# Altium PCB Carte_Alim-light_alim.PcbDoc (part 3 of 3)
Units mm, origin at the board's own origin, x right, y up, seen from the top; angles counter-clockwise.
Board outline 100 x 84 mm, 4 copper layers (Top Copper, Ground Plane, Power Plane, Bottom Copper), stack 1.57 mm thick; 195 components, 108 nets, 529 pads, 246 vias.
Unrouted connection lines stored in the file: 5.
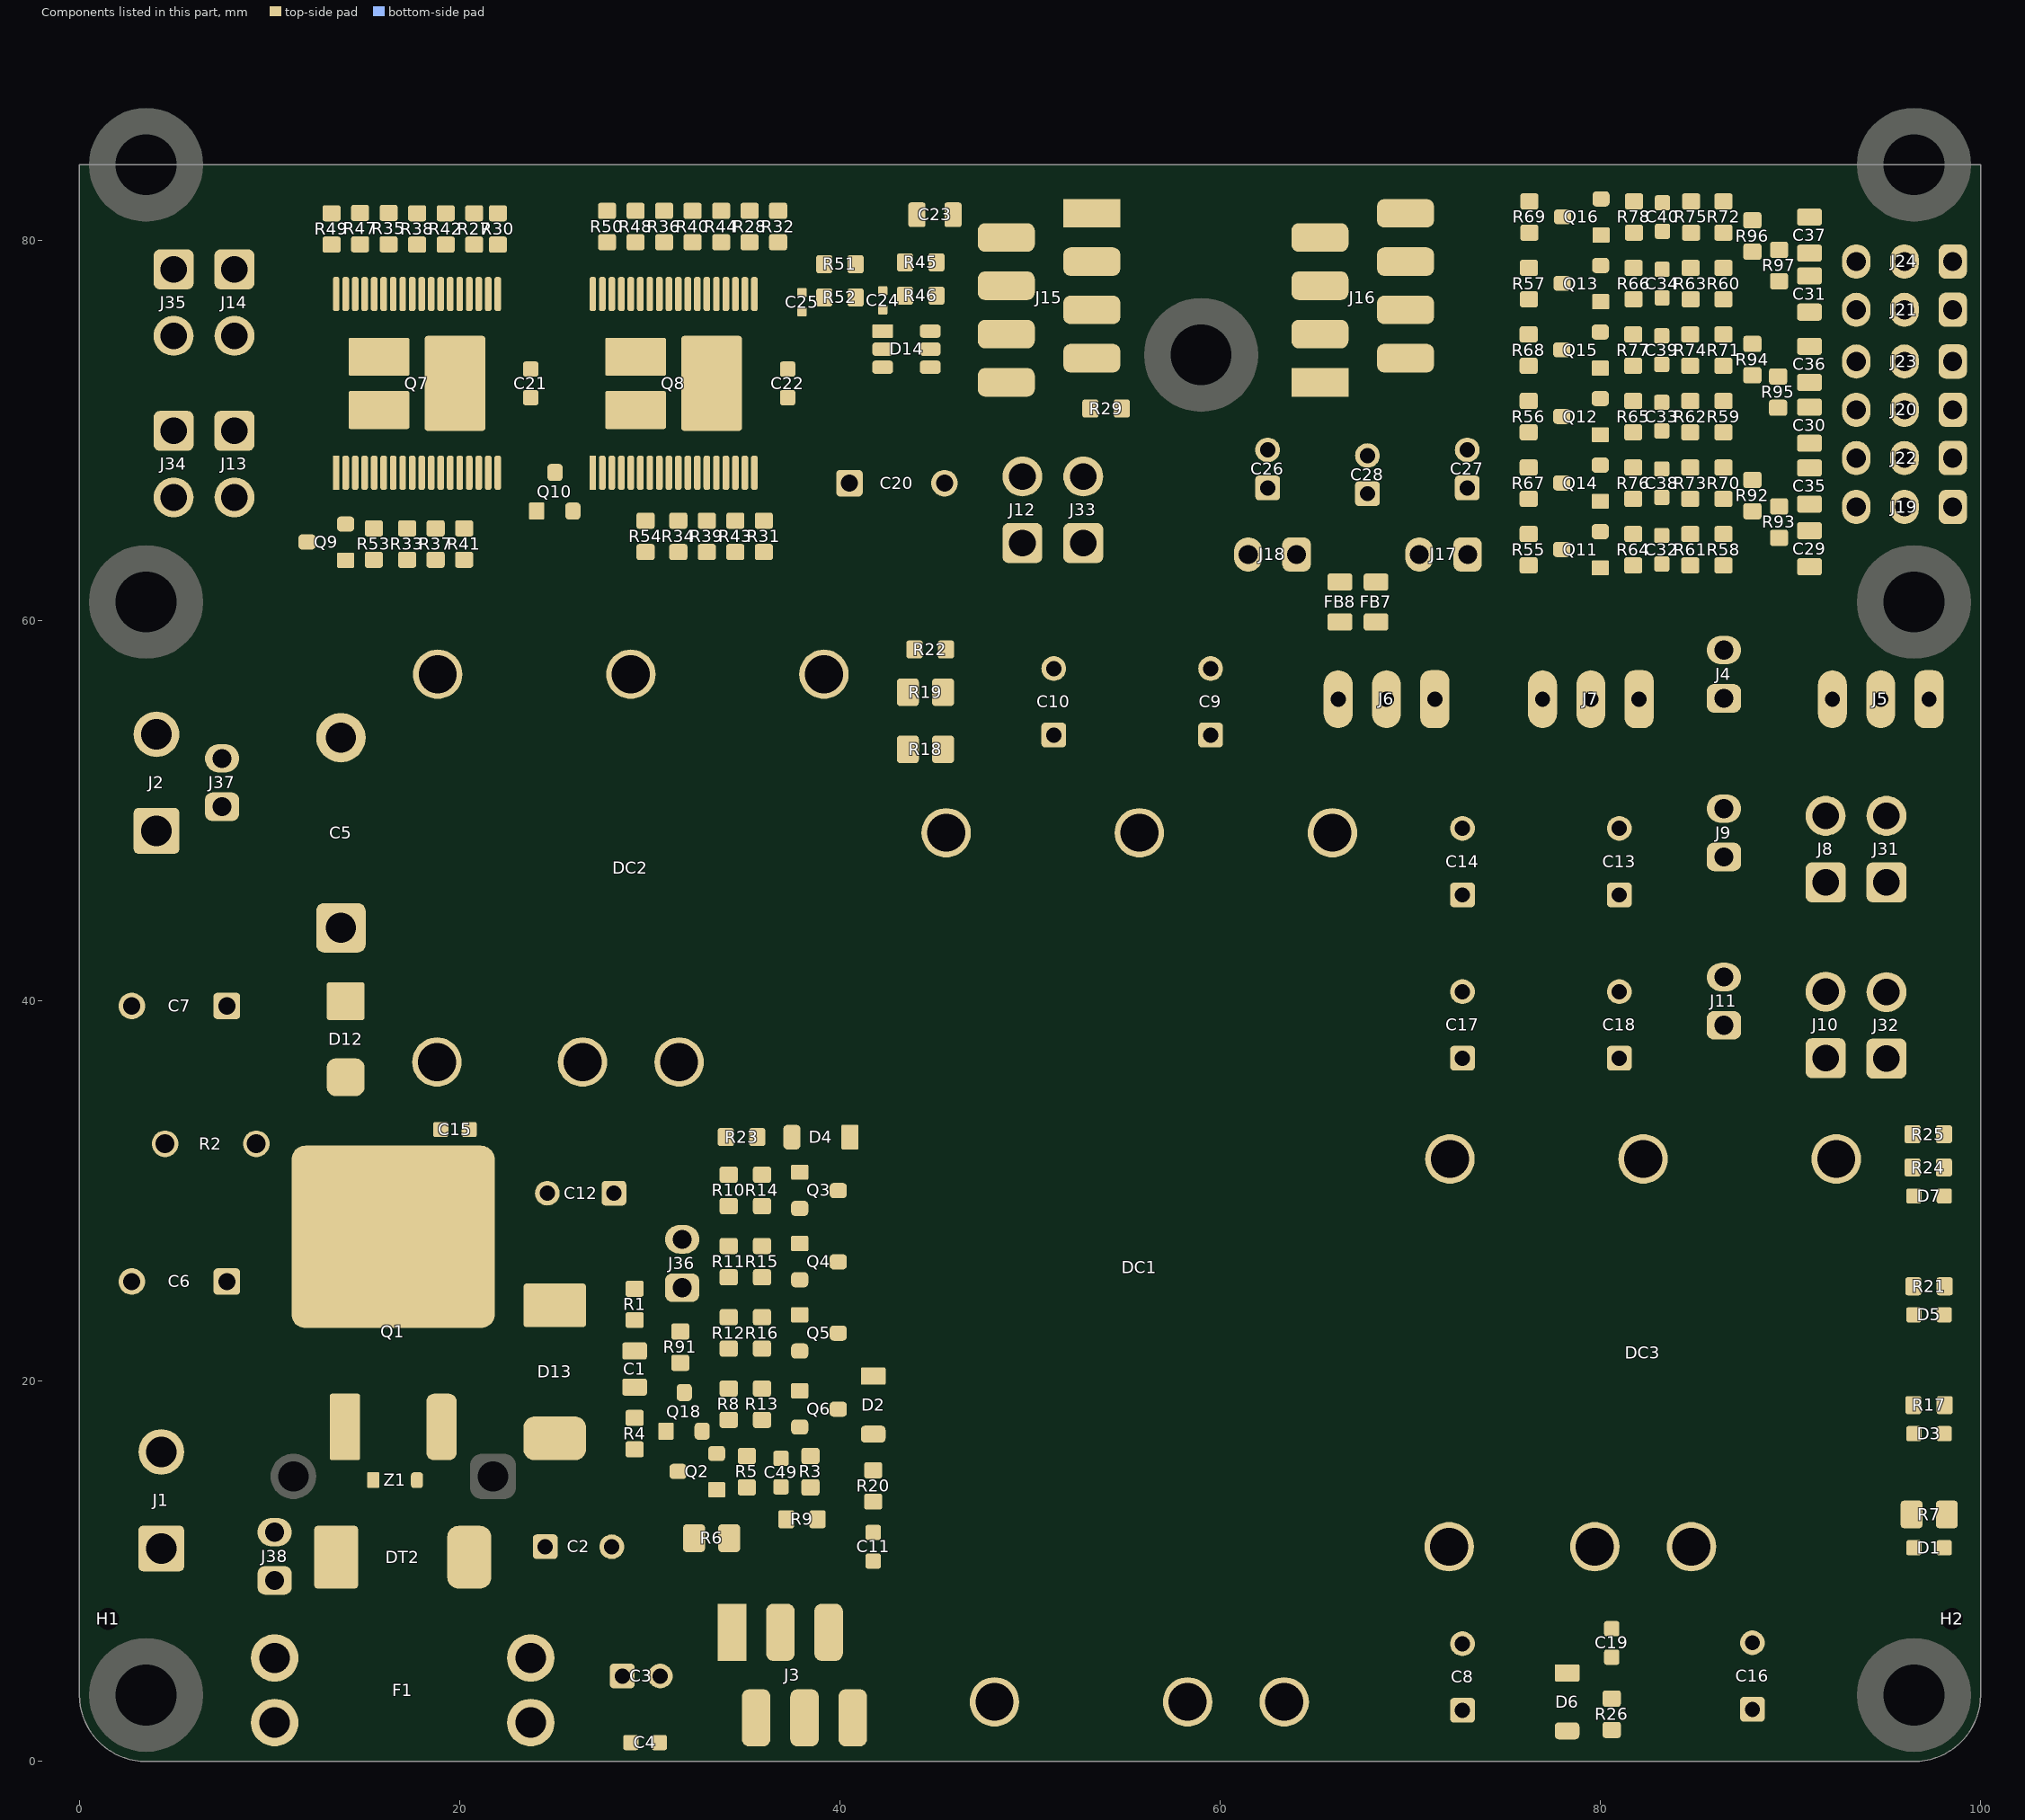
[diagram p5: the components of this part, seen from the top]

## Silkscreen, mask and mechanical layers (free items; w line width, h text height) (continued)
Bottom Overlay:
  drawing of 135 lines, arcs and shapes, not listed
  text "Ctrl_MOT" at 55,81 h1.27
  text "Capt. out" at 81.5,80.75 h1.27
  text "Capt. In" at 93.75,80.75 h1.27
  text "M2_PWM" at 42.75,79 h1.27
  text "5" at 44.75,79 h1.27
  text "VCC" at 53.5,79 h1.27
  text "1" at 55,79 h1.27
  text "Capt.3" at 69.25,78.75 h1.27
  text "5" at 71.25,78.75 h1.27
  text "VCC" at 80,78.75 h1.27
  text "1" at 81.5,78.75 h1.27
  text "6" at 91.25,78.25 h1.27
  text "PWR (not GND!)" at 30.25,78 h1.27
  text "M2_DIR" at 42.75,77 h1.27
  text "6" at 44.75,77 h1.27
  text "GND" at 53.5,77 h1.27
  text "2" at 55.25,77 h1.27
  text "Capt.4" at 69.25,76.75 h1.27
  text "6" at 71.25,76.75 h1.27
  text "GND" at 80,76.75 h1.27
  text "2" at 81.75,76.75 h1.27
  text "M2" at 1,75.75 h1.27 r270
  text "5" at 91.25,75.75 h1.27
  text "M1_CS" at 42.75,75 h1.27
  text "7" at 44.75,75 h1.27
  text "M1_PWM" at 53.5,74.75 h1.27
  text "3" at 55.25,74.75 h1.27
  text "Capt.5" at 69.25,74.75 h1.27
  text "7" at 71.25,74.75 h1.27
  text "Capt.1" at 80,74.5 h1.27
  text "3" at 81.75,74.5 h1.27
  text "-   +" at 0.75,74 h1.27 r270
  text "4" at 91.25,73 h1.27
  text "M2_CS" at 42.75,72.75 h1.27
  text "8" at 44.75,72.75 h1.27
  text "M1_DIR" at 53.5,72.75 h1.27
  text "4" at 55.25,72.75 h1.27
  text "Capt.6" at 69.25,72.5 h1.27
  text "8" at 71.25,72.5 h1.27
  text "Capt.2" at 80,72.5 h1.27
  text "4" at 81.75,72.5 h1.27
  text "3" at 91.25,70.5 h1.27
  text "-    +" at 57,70 h1.27 r90
  text "Carte Capteurs 2020" at 88.75,70 h2.5
  text "PWR" at 56.75,68 h1.27 r90
  text "Goldorak" at 84.7,68 h2
  text "2" at 91.25,68 h1.27
  text "M1" at 1,67.5 h1.27 r270
  text "Sig" at 89,66.75 h1.27
  text "Audran" at 82.5,66.25 h2
  text "- +" at 61.25,66 h1.27 r180
  text "5L" at 66.55,66 h1.27
  text "- +" at 70.5,66 h1.27 r180
  text "PWR" at 72,66 h1.27
  text "Carte Moteur 2020" at 36.5,65.5 h2.5
  text "1" at 91,65.5 h1.27
  text "-   +" at 0.75,65.25 h1.27 r270
  text "GND" at 89,64.5 h1.27
  text "Goldorak - Audran" at 34.75,63.5 h2
  text "V+" at 89,62.5 h1.27
  text "- +" at 89,58.75 h1.27 r90
  text "12V" at 90.75,58.75 h1.27 r90
  text "-    +" at 7.5,54.8 h1.27 r90
  text "-    +" at 16.5,52.75 h1.27 r90
  text "-   +" at 98.75,51 h1.27 r90
  text "GND" at 76.5,50.25 h1.27 r270
  text "12V" at 79.25,50.25 h1.27 r270
  text "PWR" at 8.9,49.8 h1.27 r270
  text "Data" at 82,49.5 h1.27 r270
  text "5P" at 98.25,49.25 h1.27 r90
  text "I got the POWER !!" at 48,44.13 h2.7
  text "Capa 10mF" at 17.25,43.75 h1.27 r270
  text "-   +" at 98.75,41.75 h1.27 r90
  text "5L" at 98.25,40 h1.27 r90
  text "PWR (not GND!)" at 27.2,33.7 h1.27
  text "-" at 30.2,26.8 h1.27
  text "oDrive" at 20.2,18.1 h1.27
  text "-   +" at 13.8,17.5 h1.27 r180
  text "-    +" at 2.5,17.3 h1.27 r90
  text "Carte Alimentation 2020" at 72.25,15.25 h2.5
  text "Goldorak - Audran" at 69.25,12.75 h2.5
  text "- +" at 12.5,12.4 h1.27 r90
  text "BATT" at 6.2,11.5 h1.27 r270
  text "Ctrl_Alim" at 43,10.5 h1.27
  text "2" at 35.25,9.75 h1.27 r90
  text "3" at 37.5,9.75 h1.27 r90
  text "4" at 39.5,9.75 h1.27 r90
  text "5" at 41.75,9.75 h1.27 r90
  text "6" at 43.75,9.75 h1.27 r90
  text "1" at 33.25,9.5 h1.27 r90
  text "Jauge" at 13.4,8.9 h1.27 r270
  text "nRST oDrive" at 29.4,8.5 h1.27 r270
  text "VBAT" at 33.25,8 h1.27 r90
  text "GND" at 35.25,8 h1.27 r90
  text "5L" at 37.5,8 h1.27 r90
  text "LED_AU" at 39.5,8 h1.27 r90
  text "SW_AU" at 41.75,7.75 h1.27 r90
  text "SW_L" at 43.75,7.75 h1.27 r90
  text "Fuse type:" at 23.6,7.45 h1.27
  text "ATO 257" at 21.6,5.2 h1.27
  text "ATC" at 21.6,3.2 h1.27
  text "Mini 897" at 21.6,1.45 h1.27
  text "Du feu jaillit la fumee" at 93.25,0.75 h1.6
Bottom Mask:
  region: 11.775,73.831 11.775,69.55 12.925,68.4 24.275,68.4 25.025,69.15 25.025,70.775 21,74.8 19.3,74.8 18.3,73.8 17.3,73.8 17.3,71 16.85,70.55 14.613,70.562 14.025,71.15 14.025,73.831
  region: 11.75,32.75 19.75,32.75 22.5,30 22.5,23.5 19.75,20.75 11.75,20.75 9,23.5 9,30
  region: 31.851,77.477 35.051,77.477 36.375,76.154 36.375,73.1 38.276,71.199 38.276,69.927 37.601,69.252 30.801,69.252 30.276,69.778 30.276,71.777 31.297,72.798 31.297,76.923
Board Outline:
  the board outline again, w0.1
Bottom Construction:
  lines w2: 8.4,84 91.5,84 ; 8.5,61 20.5,61 ; 29.5,61 47.5,61 ; 54,61 64,61 ; 56.5,61 ccw(c56.5,63.5) 59,63.5 ; 56.5,84 cw(c56.5,81.5) 59,81.5 ; 59,69.5 59,63.5 ; 59,78.5 59,81.5 ; 61.5,61 cw(c61.5,63.5) 59,63.5 ; 61.5,84 ccw(c61.5,81.5) 59,81.5 ; 70.5,61 91.5,61

## Dimensions
0,3.5 to 58,81 on Dimension
100,84 to 60,81 on Dimension
91,60 to 96.5,0 on Dimension
91,62 to 91,83 on Dimension
0,84 to 100,3.5 on Dimension
3.5,0 to 100,84 on Dimension

## Text inside footprints (layer, text, board x,y; h text height)
C2: Top Overlay "+" at 21.95,12 h1.5 r180; Top 3D Body "+" at 23.5,12.05 h1.5 r180
C3: Top Overlay "+" at 26.75,5 h1 r180; Top 3D Body "+" at 27.75,4.9 h0.8 r180
C5: Top Overlay "+" at 13.05,37.36 h1.5 r270; Top 3D Body "+" at 13.05,39.56 h1.5 r270
C6: Top Overlay "+" at 10.55,24.5 h1.5; Top 3D Body "+" at 8.85,24.55 h1.5
C7: Top Overlay "+" at 10.55,39 h1.5; Top 3D Body "+" at 8.85,39.05 h1.5
C8: Top Overlay "+" at 72.05,0.15 h1.5 r270; Top 3D Body "+" at 72,1.7 h1.5 r270
C9: Top Overlay "+" at 58.8,51.45 h1.5 r270; Top 3D Body "+" at 58.75,53 h1.5 r270
C10: Top Overlay "+" at 50.55,51.45 h1.5 r270; Top 3D Body "+" at 50.5,53 h1.5 r270
C12: Top Overlay "+" at 30.66,29.2 h1.5; Top 3D Body "+" at 29.11,29.15 h1.5
C13: Top Overlay "+" at 80.3,43.04 h1.5 r270; Top 3D Body "+" at 80.25,44.59 h1.5 r270
C14: Top Overlay "+" at 72.05,43.04 h1.5 r270; Top 3D Body "+" at 72,44.59 h1.5 r270
C16: Top Overlay "+" at 87.3,0.2 h1.5 r270; Top 3D Body "+" at 87.25,1.75 h1.5 r270
C17: Top Overlay "+" at 72.05,34.45 h1.5 r270; Top 3D Body "+" at 72,36 h1.5 r270
C18: Top Overlay "+" at 80.3,34.45 h1.5 r270; Top 3D Body "+" at 80.25,36 h1.5 r270
C20: Top Overlay "+" at 37.7,68 h1.5 r180; Top 3D Body "+" at 39.4,67.95 h1.5 r180
C26: Top Overlay "+" at 62,65.2 h1 r270; Top 3D Body "+" at 62.1,66.2 h0.8 r270
C27: Top Overlay "+" at 72.5,65.2 h1 r270; Top 3D Body "+" at 72.6,66.2 h0.8 r270
C28: Top Overlay "+" at 67.25,64.9 h1 r270; Top 3D Body "+" at 67.35,65.9 h0.8 r270
D1: Top 3D Body "K" at 98.79,11.55 h1 r180
D3: Top 3D Body "K" at 98.79,17.55 h1 r180
D5: Top 3D Body "K" at 98.79,23.8 h1 r180
D7: Top 3D Body "K" at 98.79,30.05 h1 r180
J3: Top Overlay "6" at 41,4.5 h1; Top Overlay "1" at 33.75,3.5 h1
J15: Top Overlay "8" at 51.75,71.75 h1 r90; Top Overlay "1" at 51.25,81.5 h1 r90
J16: Top Overlay "8" at 66.5,82.25 h1 r270; Top Overlay "1" at 67.5,72.25 h1 r270